# Altium PCB EPS_V2.PcbDoc (part 3 of 4) (continued)
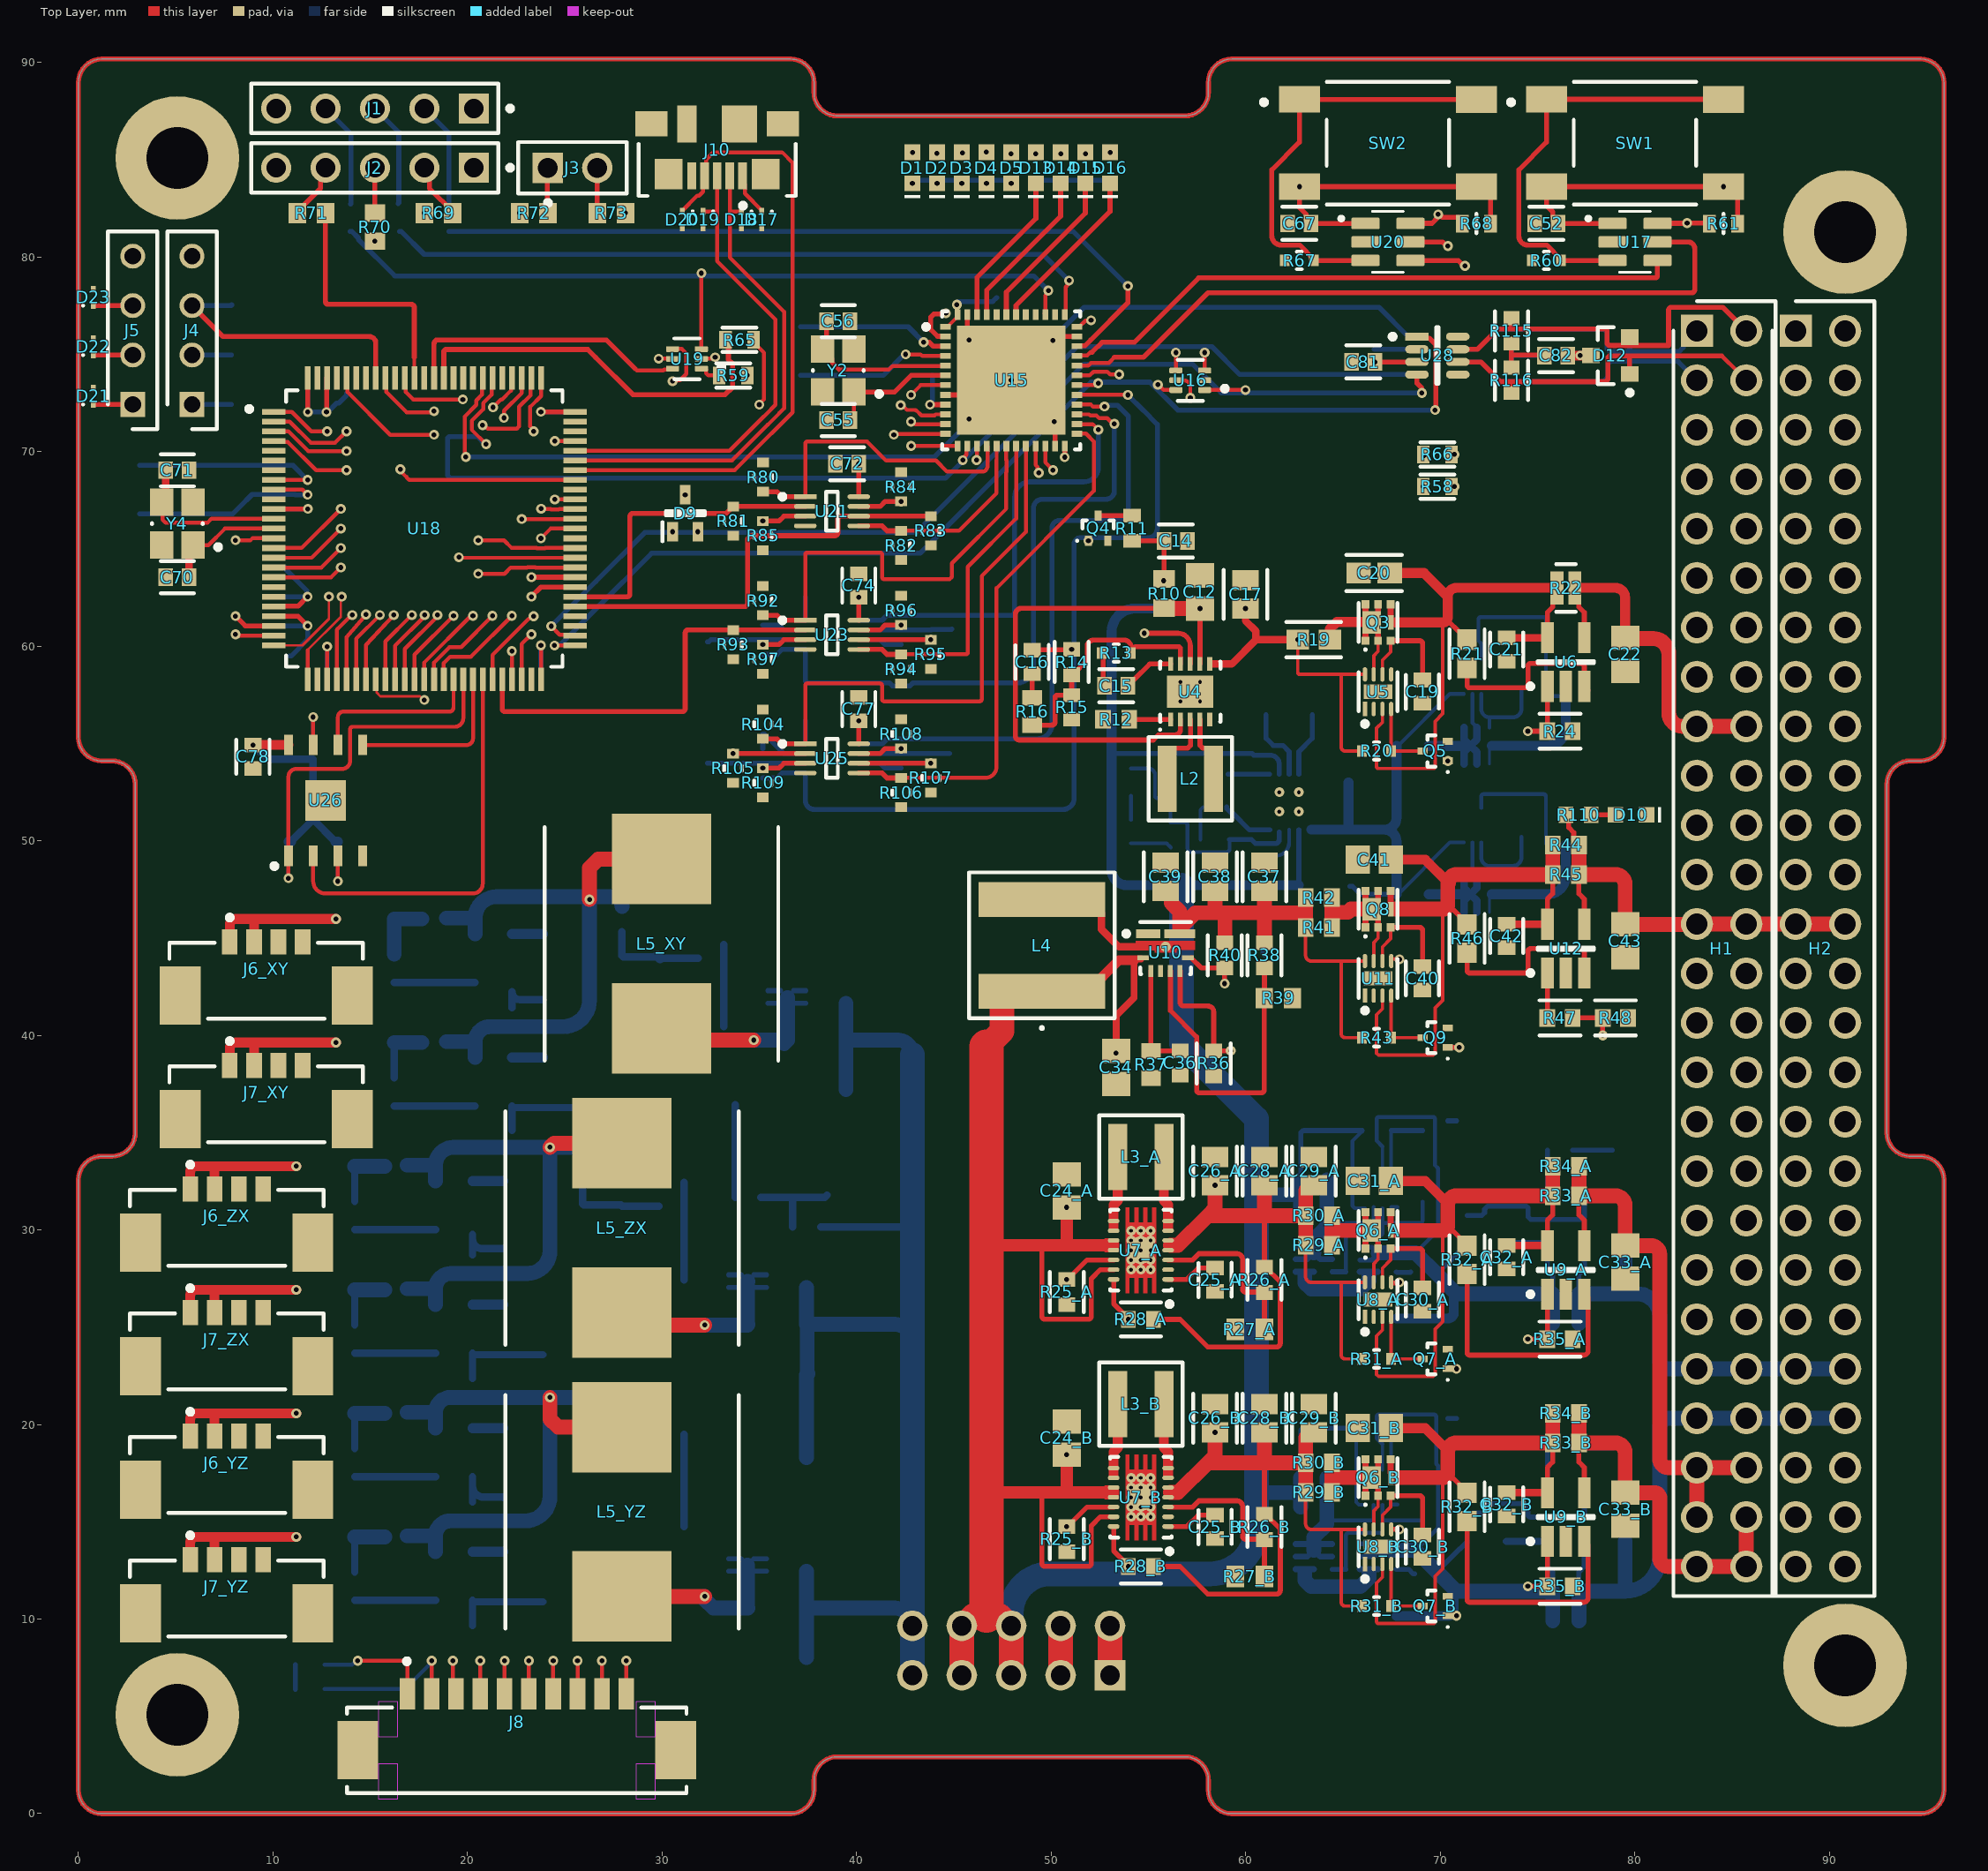
[diagram p0: Top Layer view]
## Nets (pads, with @x,y where several pads share a name; then routed paths per layer and width w, separated by ;. In a path a pad name is that pad's centre, name@x,y a point inside that pad or via, vN(x,y) a via of type N, cw(c..) or ccw(c..) an arc to the next point about the centre after c; other vN are vias at no path point) (continued)
  Bottom Layer w0.254: R1.1@60.887,46.199 60.887,44.206 C3.1@61.001,44.092
NetC4_1: C4.1 U1.10 | length 2.7
  Bottom Layer w0.254: C4.1@59.02,51.729 59.02,51.654 59.268,51.406 59.343,51.406 60.193,50.556 U1.10@61.234,50.556
NetC4_2: C4.2 R3.1 | length 1.7
  Bottom Layer w0.191: R3.1@57.67,50.064 57.67,51.584 57.818,51.732 C4.2@57.82,51.729
NetC5_1: C5.1 C6.1 C7.1 R4.1 R7.1 R8.1 U1.6 U2.8 U3.8 | length 41.2
  GND2 w0.254: v9(56.124,49.657) 56.193,49.657 56.599,50.064 64.96,50.064 67.711,47.313 v9@67.754,47.313
  Bottom Layer w0.191: C5.1@54.102,49.867 55.936,49.867 R4.1@56.154,49.649 ; R7.1@67.826,47.244 70.494,49.912 U2.8@71.207,49.912 ; R8.1@67.826,54.878 70.494,57.546 U3.8@71.207,57.546
  Bottom Layer w0.254: C6.1@65.347,47.663 65.483,47.663 65.902,47.244 R7.1@67.753,47.244
  Bottom Layer w0.508: 63.373,50.566 65.256,50.566 ; C7.1@65.278,52.999 65.278,50.589 65.256,50.566 ; R7.1@67.753,47.244 67.753,49.952 ccw(c67.139,49.952) 67.139,50.566 ; R8.1@67.753,54.864 67.753,51.181 cw(c67.139,51.181) 67.139,50.566 ; 65.256,50.566 67.139,50.566
  other v9: 67.734,47.29
NetC5_2: C5.2 R6.2 | length 1.2
  Bottom Layer w0.191: C5.2@54.102,51.067 R6.2@54.102,52.306
NetC8_1: C8.1 Q1.3 U2.6 | length 4.9
  Bottom Layer w0.191: U2.6@72.107,49.912 72.107,49.133 ccw(c72.532,49.133) 72.532,48.708 Q1.3@72.532,48.181
  Bottom Layer w0.203: 72.532,48.708 73.743,48.708 ccw(c73.743,49.133) 74.168,49.133 C8.1@74.168,50.2
NetC10_1: C10.1 Q2.3 U3.6 | length 4.9
  Bottom Layer w0.191: U3.6@72.107,57.546 72.107,56.767 ccw(c72.532,56.767) 72.532,56.342 Q2.3@72.532,55.816
  Bottom Layer w0.203: 72.532,56.342 73.743,56.342 ccw(c73.743,56.767) 74.168,56.767 C10.1@74.168,57.834
NetC14_1: C14.1 R10.1 R11.2 U4.8 | length 10.4
  Top Layer w0.254: R11.2@54.152,65.407 C14.1@55.807,65.407 R10.1@55.807,63.45 ; v3(54.79,60.663) 56.516,60.663 cw(c56.516,60.028) 57.15,60.028 U4.8@57.15,59.083
  GND1 w0.254: v3(54.79,60.663) 54.79,62.365 v3(55.789,63.363)
NetC15_1: C15.1 U4.10 | length 2.7
  Top Layer w0.254: C15.1@53.94,57.958 53.94,58.033 54.188,58.281 54.263,58.281 55.065,59.083 U4.10@56.15,59.083
NetC15_2: C15.2 R13.1 | length 1.7
  Top Layer w0.254: R13.1@52.59,59.644 52.665,59.569 52.665,58.033 C15.2@52.74,57.958
NetC16_1: C16.1 C17.1 C18.1 R14.1 R19.1 R20.1 U4.6 U5.8 | length 30.7
  Top Layer w0.178: v3(62.673,60.332) 62.673,58.65 ccw(c62.774,58.65) 62.774,58.549 ccw(c62.802,58.675) 62.802,58.546 64.91,58.546 ; R20.1@65.977,54.61 65.105,54.61 cw(c65.105,54.805) 64.91,54.805 64.91,58.546 ; U5.8@66.127,58.546 64.91,58.546
  Top Layer w0.254: C16.1@49.022,59.782 49.047,59.807 51.029,59.807 v3(51.054,59.833)
  Top Layer w0.381: 58.293,59.083 59.279,59.083 60.528,60.332 ; v2(59.988,61.932) 59.988,61.305 60.528,60.764 60.528,60.332 ; v3(62.673,60.332) 60.528,60.332
  GND1 w0.254: v3(51.054,59.833) 62.174,59.833 v3(62.673,60.332)
NetC16_2: C16.2 R16.2 | length 1.2
  Top Layer w0.254: R16.2@49.022,57.342 C16.2@49.022,58.582
NetC19_1: C19.1 Q3.3 U5.6 | length 5.5
  Top Layer w0.178: U5.6@67.027,58.546 67.027,59.273 67.452,59.698 Q3.3@67.452,60.277
  Top Layer w0.254: Q3.3@67.452,60.277 68.939,60.277 cw(c68.939,60.128) 69.088,60.128 C19.1@69.088,58.258
NetC20_1: C20.1 C21.1 Q3.4 Q3.7 R21.1 R22.1 U5.3 U6.5 | length 34.2
  Top Layer w0.178: U5.3@67.027,56.77 67.027,56.09 66.727,55.79 66.727,53.814 ccw(c66.831,53.814) 66.831,53.71 69.631,53.71 ccw(c69.631,53.814) 69.735,53.814 69.735,56.134 70.133,56.531 70.133,61.214
  Top Layer w0.254: 70.38,61.326 70.974,60.732 70.998,60.732 71.374,60.356 R21.1@71.374,60.332 ; U6.5@75.504,60.432 75.504,61.732 75.779,62.007 R22.1@75.779,62.992
  Top Layer w0.305: Q3.7@67.452,61.214 Q3.4@67.452,62.151
  Top Layer w0.381: C21.1@73.406,60.432 U6.5@75.504,60.432
  Top Layer w0.508: C20.1@67.403,63.754 69.175,63.754 70.383,62.546 ; 67.691,61.214 70.133,61.214 ccw(c70.133,61.464) 70.383,61.464 70.383,62.546 ; R22.1@75.991,62.992 70.829,62.992 ccw(c70.829,62.546) 70.383,62.546
NetC25_A_1: C25_A.1 U7_A.1 | length 2.6
  Top Layer w0.254: U7_A.1@56.01,27.456 56.976,27.456 57.552,28.032 C25_A.1@58.42,28.032
NetC25_B_1: C25_B.1 U7_B.1 | length 2.6
  Top Layer w0.254: U7_B.1@56.01,14.756 56.976,14.756 57.552,15.332 C25_B.1@58.42,15.332
NetC26_A_1: C26_A.1 C27_A.1 C28_A.1 C29_A.1 R26_A.2 R28_A.2 R29_A.1 R30_A.1 R31_A.1 U7_A.4 U7_A.5 U8_A.8 | length 38.1
  Top Layer w0.178: R29_A.1@63.079,29.21 63.079,27.588 ccw(c63.363,27.588) 63.363,27.304 64.91,27.304 ; R31_A.1@65.977,23.368 65.105,23.368 cw(c65.105,23.563) 64.91,23.563 64.91,27.304 ; U8_A.8@66.127,27.304 64.91,27.304
  Top Layer w0.254: R28_A.2@55.261,25.4 56.627,25.4 58.053,23.974 61.563,23.974 ccw(c61.563,24.189) 61.778,24.189 61.778,27.317 61.013,28.083 R26_A.2@60.96,28.083 60.96,30.745
  Top Layer w0.762: 56.134,29.206 56.525,29.206 58.053,30.734 ; v2(58.42,32.294) 58.42,31.101 58.053,30.734 ; C28_A.1@60.96,32.294 60.96,30.745 60.949,30.734 ; R29_A.1@63.079,29.21 R30_A.1@63.079,30.734 ; C29_A.1@63.5,32.294 63.349,32.294 63.079,32.024 R30_A.1@63.079,30.734 ; 58.053,30.734 60.949,30.734 ; 60.949,30.734 R30_A.1@63.079,30.734
NetC26_B_1: C26_B.1 C27_B.1 C28_B.1 C29_B.1 R26_B.2 R28_B.2 R29_B.1 R30_B.1 R31_B.1 U7_B.4 U7_B.5 U8_B.8 | length 38.1
  Top Layer w0.178: R29_B.1@63.079,16.51 63.079,14.888 ccw(c63.363,14.888) 63.363,14.604 64.91,14.604 ; R31_B.1@65.977,10.668 65.105,10.668 cw(c65.105,10.863) 64.91,10.863 64.91,14.604 ; U8_B.8@66.127,14.604 64.91,14.604
  Top Layer w0.254: R28_B.2@55.261,12.7 56.627,12.7 58.053,11.274 61.563,11.274 ccw(c61.563,11.489) 61.778,11.489 61.778,14.617 61.013,15.383 R26_B.2@60.96,15.383 60.96,18.045
  Top Layer w0.762: 56.134,16.506 56.525,16.506 58.053,18.034 ; v2(58.42,19.594) 58.42,18.401 58.053,18.034 ; C28_B.1@60.96,19.594 60.96,18.045 60.949,18.034 ; R29_B.1@63.079,16.51 R30_B.1@63.079,18.034 ; C29_B.1@63.5,19.594 63.349,19.594 63.079,19.324 R30_B.1@63.079,18.034 ; 58.053,18.034 60.949,18.034 ; 60.949,18.034 R30_B.1@63.079,18.034
NetC30_A_1: C30_A.1 Q6_A.3 U8_A.6 | length 5.5
  Top Layer w0.178: U8_A.6@67.027,27.304 67.027,28.031 67.452,28.456 Q6_A.3@67.452,29.035
  Top Layer w0.254: Q6_A.3@67.452,29.035 68.939,29.035 cw(c68.939,28.886) 69.088,28.886 C30_A.1@69.088,27.016
NetC30_B_1: C30_B.1 Q6_B.3 U8_B.6 | length 5.5
  Top Layer w0.178: U8_B.6@67.027,14.604 67.027,15.331 67.452,15.756 Q6_B.3@67.452,16.335
  Top Layer w0.254: Q6_B.3@67.452,16.335 68.939,16.335 cw(c68.939,16.186) 69.088,16.186 C30_B.1@69.088,14.316
NetC31_A_2: C31_A.2 C32_A.1 Q6_A.4 Q6_A.7 R32_A.1 R33_A.1 R34_A.1 U8_A.3 U9_A.5 | length 34.9
  Top Layer w0.178: U8_A.3@67.027,25.528 67.027,24.848 66.727,24.548 66.727,22.572 66.831,22.468 69.631,22.468 69.735,22.572 69.735,24.892 70.133,25.289 70.133,29.972
  Top Layer w0.254: 70.616,29.972 R32_A.1@71.374,29.214 ; U9_A.5@75.504,29.19 75.504,30.49 75.779,30.765 R33_A.1@75.779,31.75
  Top Layer w0.305: Q6_A.4@67.452,30.909 67.452,30.211 67.691,29.972
  Top Layer w0.381: C32_A.1@73.406,29.19 U9_A.5@75.504,29.19
  Top Layer w0.508: C31_A.2@67.452,32.512 69.225,32.512 70.433,31.304
  Top Layer w0.762: 67.691,29.972 70.133,29.972 ccw(c70.133,30.222) 70.383,30.222 70.383,31.304 cw(c70.829,31.304) 70.829,31.75 R33_A.1@75.504,31.75 ; R32_A.1@71.374,29.19 R32_A.1@71.374,29.214 ; R33_A.1@75.779,31.75 R34_A.1@75.779,33.274
NetC31_B_2: C31_B.2 C32_B.1 Q6_B.4 Q6_B.7 R32_B.1 R33_B.1 R34_B.1 U8_B.3 U9_B.5 | length 35
  Top Layer w0.178: U8_B.3@67.027,12.828 67.027,12.148 66.727,11.848 66.727,9.872 ccw(c66.831,9.872) 66.831,9.768 69.631,9.768 ccw(c69.631,9.872) 69.735,9.872 69.735,12.192 70.133,12.589 70.133,17.272
  Top Layer w0.254: 70.616,17.272 R32_B.1@71.374,16.514 ; U9_B.5@75.504,16.49 75.504,17.79 75.779,18.065 R33_B.1@75.779,19.05
  Top Layer w0.305: Q6_B.4@67.452,18.209 67.452,17.511 67.691,17.272
  Top Layer w0.381: C32_B.1@73.406,16.49 U9_B.5@75.504,16.49
  Top Layer w0.508: C31_B.2@67.452,19.812 69.225,19.812 70.433,18.604
  Top Layer w0.762: 67.691,17.272 70.133,17.272 ccw(c70.133,17.522) 70.383,17.522 70.383,18.604 cw(c70.829,18.604) 70.829,19.05 R33_B.1@75.504,19.05 ; R32_B.1@71.374,16.49 R32_B.1@71.374,16.514 ; R33_B.1@75.779,19.05 R34_B.1@75.779,20.574
NetC36_2: C36.2 R37.2 U10.4 | length 5.6
  Top Layer w0.254: U10.4@55.13,43.3 R37.2@55.13,39.204 C36.2@56.63,39.204
NetC37_1: C37.1 C38.1 C39.1 R38.1 R40.1 R41.1 R42.1 R43.1 U10.9 U11.8 | length 25.7
  Top Layer w0.178: R41.1@63.079,45.72 63.079,44.098 ccw(c63.363,44.098) 63.363,43.814 64.91,43.814 ; R43.1@65.977,39.878 65.105,39.878 cw(c65.105,40.073) 64.91,40.073 64.91,43.814 ; U11.8@66.127,43.814 64.91,43.814
  Top Layer w0.762: C39.1@55.88,47.419 56.031,47.419 56.177,47.273 56.177,46.792 56.605,46.364 56.605,45.502 57.398,46.295 58.42,46.295 ; C38.1@58.42,47.419 58.42,46.295 ; R40.1@58.928,44.76 58.928,46.295 ; R38.1@60.96,44.76 60.96,46.295 ; C37.1@60.96,47.419 60.96,46.295 ; R41.1@63.079,45.545 63.079,46.295 ; R42.1@63.079,47.077 63.079,46.295 ; 58.42,46.295 58.928,46.295 ; 58.928,46.295 60.96,46.295 ; 60.96,46.295 63.079,46.295
NetC40_1: C40.1 Q8.3 U11.6 | length 5.5
  Top Layer w0.178: U11.6@67.027,43.814 67.027,44.541 67.452,44.966 Q8.3@67.452,45.545
  Top Layer w0.254: Q8.3@67.452,45.545 68.939,45.545 cw(c68.939,45.396) 69.088,45.396 C40.1@69.088,43.526
NetC41_2: C41.2 C42.1 Q8.4 Q8.7 R44.1 R45.1 R46.1 U11.3 U12.5 | length 35.4
  Top Layer w0.178: U11.3@67.027,42.038 67.027,41.358 66.727,41.058 66.727,39.082 66.831,38.978 69.631,38.978 69.735,39.082 69.735,41.402 70.133,41.799 70.133,46.482
  Top Layer w0.254: Q8.7@67.452,46.721 67.691,46.482 ; 70.383,46.732 70.998,46.117 70.998,46.076 R46.1@71.374,45.7 ; U12.5@75.504,45.7 75.504,47 75.779,47.275 R45.1@75.779,48.26
  Top Layer w0.305: Q8.7@67.452,46.721 Q8.4@67.452,47.419
  Top Layer w0.381: C42.1@73.406,45.7 U12.5@75.504,45.7
  Top Layer w0.508: C41.2@67.452,49.022 69.225,49.022 70.433,47.814
  Top Layer w0.762: C41.2@67.452,48.922 C41.2@67.452,49.022 ; 67.691,46.482 70.133,46.482 ccw(c70.133,46.732) 70.383,46.732 70.383,47.814 ; 70.433,47.814 70.433,47.864 cw(c70.829,47.864) 70.829,48.26 R45.1@75.504,48.26 ; R45.1@75.779,48.26 R44.1@75.779,49.784
NetC44_M_1: C44_M.1 Q10_M.3 Q11_M.3 U13_M.6 | length 12.9
  GND2 w0.254: v9(65.147,27.848) 65.153,27.842 68.469,27.842 v9(68.475,27.835)
  Bottom Layer w0.191: 67.027,30.322 U13_M.6@67.027,31.116 ; 67.027,30.354 68.976,30.354 ccw(c68.976,30.466) 69.088,30.466 C44_M.1@69.088,31.454
  Bottom Layer w0.203: v9(65.147,27.848) 65.147,29.568 cw(c65.295,29.568) 65.295,29.716 66.908,29.716 ccw(c66.908,29.835) 67.027,29.835 67.027,30.322 ; 67.027,30.354 67.027,30.362
  Bottom Layer w0.254: Q10_M.3@64.437,27.848 v9(65.147,27.848) ; Q11_M.3@67.743,27.844 67.771,27.817 68.457,27.817 v9(68.475,27.835)
NetC44_N_1: C44_N.1 Q10_N.3 Q11_N.3 U13_N.6 | length 13.6
  GND2 w0.254: v9(65.147,12.558) 65.183,12.558 65.422,12.319 v9(68.678,12.319)
  Bottom Layer w0.127: Q11_N.3@67.739,12.558 Q11_N.3@67.743,12.554
  Bottom Layer w0.191: 67.027,14.545 67.027,15.064 ; U13_N.6@67.027,15.876 67.027,15.072 67.027,15.064 ; C44_N.1@69.088,16.164 69.088,15.176 cw(c68.976,15.176) 68.976,15.064 67.027,15.064
  Bottom Layer w0.203: v9(65.147,12.558) 65.147,14.278 cw(c65.295,14.278) 65.295,14.426 66.908,14.426 ccw(c66.908,14.545) 67.027,14.545
  Bottom Layer w0.254: Q10_N.3@64.437,12.558 v9(65.147,12.558) ; Q11_N.3@67.743,12.554 68.375,12.554 68.61,12.319 v9(68.678,12.319)
NetC45_M_2: C45_M.2 C46_M.1 Q11_M.1 Q11_M.2 Q11_M.5 Q11_M.6 Q11_M.8 R53_M.1 R54_M.1 R55_M.1 U13_M.3 U14_M.5 | length 37.9
  Bottom Layer w0.178: U13_M.3@67.027,32.942 67.027,34.283
  Bottom Layer w0.203: 67.027,34.283 66.727,34.583 66.727,35.683 cw(c66.846,35.683) 66.846,35.802 69.616,35.802 cw(c69.616,35.683) 69.735,35.683 69.735,33.316 69.881,33.171 69.881,29.978 68.726,28.823
  Bottom Layer w0.254: Q11_M.5@65.865,28.448 66.477,28.448 Q11_M.8@66.802,28.773 66.477,29.098 Q11_M.6@65.865,29.098 ; 69.822,27.728 70.974,28.88 70.998,28.88 71.374,29.256 R53_M.1@71.374,29.28 ; U14_M.5@75.504,29.28 75.504,27.98 75.779,27.705 R55_M.1@75.779,26.72
  Bottom Layer w0.381: C46_M.1@73.406,29.28 U14_M.5@75.504,29.28
  Bottom Layer w0.508: C45_M.2@67.739,25.45 70.394,25.45 ccw(c70.394,25.748) 70.691,25.748 70.691,26.858
  Bottom Layer w0.762: Q11_M.8@66.802,28.823 68.726,28.823 69.822,27.728 70.829,26.72 R55_M.1@75.504,26.72 ; R54_M.1@75.779,25.196 R55_M.1@75.779,26.72
NetC45_N_2: C45_N.2 C46_N.1 Q11_N.1 Q11_N.2 Q11_N.5 Q11_N.6 Q11_N.8 R53_N.1 R54_N.1 R55_N.1 U13_N.3 U14_N.5 | length 37.9
  Bottom Layer w0.178: U13_N.3@67.027,17.652 67.027,18.993
  Bottom Layer w0.203: 67.027,18.993 66.727,19.293 66.727,20.393 cw(c66.846,20.393) 66.846,20.512 69.667,20.512 cw(c69.667,20.393) 69.786,20.393 69.786,17.976 69.881,17.881 69.881,14.688 68.726,13.533
  Bottom Layer w0.254: Q11_N.5@65.865,13.208 66.477,13.208 Q11_N.8@66.802,13.533 66.477,13.858 Q11_N.6@65.865,13.858 ; 69.822,12.438 70.974,13.59 70.998,13.59 71.374,13.966 R53_N.1@71.374,13.99 ; U14_N.5@75.504,13.99 75.504,12.69 75.779,12.415 R55_N.1@75.779,11.43
  Bottom Layer w0.381: C46_N.1@73.406,13.99 U14_N.5@75.504,13.99
  Bottom Layer w0.508: C45_N.2@67.739,10.16 70.394,10.16 ccw(c70.394,10.458) 70.691,10.458 70.691,11.568
  Bottom Layer w0.762: Q11_N.8@66.802,13.533 68.726,13.533 69.822,12.438 70.829,11.43 R55_N.1@75.504,11.43 ; R54_N.1@75.779,9.906 R55_N.1@75.779,11.43
NetC80_1: C80.1 R113.2 R114.1 | length 2.9
  Bottom Layer w0.254: R113.2@73.66,74.311 R114.1@73.66,75.549 ; 73.675,74.93 C80.1@75.346,74.93
NetC82_1: C82.1 R115.2 R116.1 | length 2.9
  Top Layer w0.254: R116.1@73.647,74.349 R115.2@73.647,75.587 ; 73.663,74.968 C82.1@75.333,74.968
NetC96_1: C96.1 R125.2 R126.1 U33.1 | length 5
  Bottom Layer w0.381: U33.1@35.067,31.666 R126.1@36.703,31.666 ; R125.2@36.703,30.157 R126.1@36.703,31.666 ; C96.1@38.481,31.791 38.356,31.666 R126.1@36.703,31.666
NetC104_XY_1: C104_XY.1 R123_XY.2 R124_XY.1 U31_XY.1 | length 5.4
  Bottom Layer w0.381: R123_XY.2@27.94,45.323 R124_XY.1@27.94,44.084 28.002,44.021 29.91,44.021 C104_XY.1@29.972,43.959 U31_XY.1@31.857,43.959
  Bottom Layer w0.508: C104_XY.1@29.772,44.084 C104_XY.1@29.897,43.959
NetC104_YZ_1: C104_YZ.1 R123_YZ.2 R124_YZ.1 U31_YZ.1 | length 4.9
  Bottom Layer w0.381: R123_YZ.2@25.908,19.498 R124_YZ.1@25.908,18.609 25.97,18.547 27.877,18.547 C104_YZ.1@27.94,18.484 U31_YZ.1@29.83,18.484
NetC104_ZX_1: C104_ZX.1 R123_ZX.2 R124_ZX.1 U31_ZX.1 | length 5.1
  Bottom Layer w0.381: R123_ZX.2@25.908,32.446 R124_ZX.1@25.908,31.339 25.97,31.277 27.877,31.277 27.943,31.211 29.827,31.211 U31_ZX.1@29.83,31.208
NetD1_2: D1.2 R74.2
  other v2: 42.87,85.364
NetD2_2: D2.2 R75.2
  other v2: 44.13,85.321
NetD3_2: D3.2 R76.2
  other v2: 45.436,85.349
NetD4_2: D4.2 R77.2
  other v2: 46.662,85.397
NetD5_2: D5.2 R78.2
  other v2: 47.937,85.306
NetD6_1: D6.1 J4.1 | length 2.1
  Bottom Layer w0.254: J4.1@5.832,72.301 5.951,72.42 D6.1@7.87,72.42
NetD10_2: D10.2 R110.2 | length 1.2
  Top Layer w0.254: R110.2@77.754,51.334 D10.2@79.002,51.334
NetD13_2: D13.2 R117.2
  other v2: 49.197,85.301
NetD13_XY_1: D13_XY.1 R117_XY.1 R118_XY.1 | length 3.2
  Bottom Layer w0.762: R117_XY.1@16.232,44.16 D13_XY.1@16.232,45.974 R118_XY.1@17.653,45.974
NetD13_XY_2: D13_XY.2 J6_XY.1 J6_XY.2 | length 7.7
  Top Layer w0.508: J6_XY.1@7.777,44.799 7.777,45.676 cw(c8.075,45.676) 8.075,45.974 9.027,45.974 ; J6_XY.2@9.027,44.799 9.027,45.974 ; v2(13.232,45.974) 9.027,45.974
NetD13_YZ_1: D13_YZ.1 R117_YZ.1 R118_YZ.1 | length 3.4
  Bottom Layer w0.381: R117_YZ.1@14.2,18.76 D13_YZ.1@14.2,20.574
  Bottom Layer w0.762: D13_YZ.1@14.2,20.574 R118_YZ.1@15.745,20.574
NetD13_YZ_2: D13_YZ.2 J6_YZ.1 J6_YZ.2 | length 7.7
  Top Layer w0.508: J6_YZ.1@5.745,19.399 5.745,20.276 cw(c6.043,20.276) 6.043,20.574 6.995,20.574 ; J6_YZ.2@6.995,19.399 6.995,20.574 ; v2(11.2,20.574) 6.995,20.574
NetD13_ZX_1: D13_ZX.1 R117_ZX.1 R118_ZX.1 | length 3.4
  Bottom Layer w0.381: R117_ZX.1@14.2,31.46 D13_ZX.1@14.2,33.274
  Bottom Layer w0.762: D13_ZX.1@14.2,33.274 R118_ZX.1@15.745,33.274
NetD13_ZX_2: D13_ZX.2 J6_ZX.1 J6_ZX.2 | length 7.7
  Top Layer w0.508: J6_ZX.1@5.745,32.099 5.745,32.976 cw(c6.043,32.976) 6.043,33.274 6.995,33.274 ; J6_ZX.2@6.995,32.099 6.995,33.274 ; v2(11.2,33.274) 6.995,33.274
NetD14_2: D14.2 R118.2
  other v2: 50.488,85.296
NetD14_XY_1: D14_XY.1 R120_XY.1 R121_XY.1 | length 3.2
  Bottom Layer w0.381: R120_XY.1@16.232,37.81 D14_XY.1@16.232,39.624
  Bottom Layer w0.762: D14_XY.1@16.232,39.624 R121_XY.1@17.653,39.624
NetD14_XY_2: D14_XY.2 J7_XY.1 J7_XY.2 | length 7.7
  Top Layer w0.508: J7_XY.1@7.777,38.449 7.777,39.326 cw(c8.075,39.326) 8.075,39.624 9.027,39.624 ; J7_XY.2@9.027,38.449 9.027,39.624 ; v2(13.232,39.624) 9.027,39.624
NetD14_YZ_1: D14_YZ.1 R120_YZ.1 R121_YZ.1 | length 3.4
  Bottom Layer w0.381: R120_YZ.1@14.2,12.41 D14_YZ.1@14.2,14.224
  Bottom Layer w0.762: D14_YZ.1@14.2,14.224 R121_YZ.1@15.745,14.224
NetD14_YZ_2: D14_YZ.2 J7_YZ.1 J7_YZ.2 | length 7.7
  Top Layer w0.508: J7_YZ.1@5.745,13.049 5.745,13.926 cw(c6.043,13.926) 6.043,14.224 6.995,14.224 ; J7_YZ.2@6.995,13.049 6.995,14.224 ; v2(11.2,14.224) 6.995,14.224
NetD14_ZX_1: D14_ZX.1 R120_ZX.1 R121_ZX.1 | length 3.4
  Bottom Layer w0.381: R120_ZX.1@14.2,25.11 D14_ZX.1@14.2,26.924
  Bottom Layer w0.762: D14_ZX.1@14.2,26.924 R121_ZX.1@15.745,26.924
NetD14_ZX_2: D14_ZX.2 J7_ZX.1 J7_ZX.2 | length 7.7
  Top Layer w0.508: J7_ZX.1@5.745,25.749 5.745,26.626 cw(c6.043,26.626) 6.043,26.924 6.995,26.924 ; J7_ZX.2@6.995,25.749 6.995,26.924 ; v2(11.2,26.924) 6.995,26.924
NetD15_2: D15.2 R119.2
  other v2: 51.763,85.306
NetD15_XY_2: D15_XY.2 L5_XY.2 U32_XY.1 U32_XY.2 U32_XY.5 U32_XY.6 U32_XY.8 | length 11.8
  Top Layer w0.762: L5_XY.2@29.972,40.354 30.572,39.754 v2(34.715,39.754)
  Bottom Layer w0.254: U32_XY.1@35.447,41.644 U32_XY.8@36.097,41.644 ; U32_XY.2@35.447,42.294 U32_XY.8@36.097,42.294 ; U32_XY.8@36.747,41.644 U32_XY.6@37.397,41.644 ; U32_XY.8@36.747,42.294 U32_XY.5@37.397,42.294
  Bottom Layer w0.762: v2(34.715,39.754) D15_XY.2@36.454,39.754 ; D15_XY.2@36.273,39.575 D15_XY.2@36.453,39.755 ; D15_XY.2@36.454,39.771 36.454,41.644 U32_XY.8@36.454,41.937
NetD15_YZ_2: D15_YZ.2 L5_YZ.2 U32_YZ.1 U32_YZ.2 U32_YZ.5 U32_YZ.6 U32_YZ.8 | length 10.6
  Top Layer w0.762: L5_YZ.2@29.183,10.496 29.849,11.163 v2(32.19,11.163)
  Bottom Layer w0.254: U32_YZ.1@33.415,12.453 U32_YZ.8@34.065,12.453 ; U32_YZ.2@33.415,13.103 U32_YZ.8@34.065,13.103 ; U32_YZ.8@34.715,12.453 U32_YZ.6@35.365,12.453 ; U32_YZ.8@34.715,13.103 U32_YZ.5@35.365,13.103
  Bottom Layer w0.762: v2(32.19,11.163) 32.19,11.009 32.636,10.563 D15_YZ.2@34.422,10.563 ; D15_YZ.2@34.39,10.612 34.39,12.453 U32_YZ.8@34.39,12.778
NetD15_ZX_2: D15_ZX.2 L5_ZX.2 U32_ZX.1 U32_ZX.2 U32_ZX.5 U32_ZX.6 U32_ZX.8 | length 10.3
  Top Layer w0.762: L5_ZX.2@29.183,24.506 29.787,25.11 v2(32.19,25.11)
  Bottom Layer w0.254: U32_ZX.1@33.415,27.039 U32_ZX.8@34.065,27.039 ; U32_ZX.2@33.415,27.689 U32_ZX.8@34.065,27.689 ; U32_ZX.8@34.715,27.039 U32_ZX.6@35.365,27.039 ; U32_ZX.8@34.715,27.689 U32_ZX.5@35.365,27.689
  Bottom Layer w0.762: v2(32.19,25.11) 34.383,25.11 D15_ZX.2@34.422,25.149 ; D15_ZX.2@34.39,25.198 34.39,27.039 U32_ZX.8@34.39,27.364 U32_ZX.8@34.406,27.348
NetD16_2: D16.2 R120.2
  other v2: 53.03,85.369
NetD17_1: D17.1 J10.1 | length 2
  Top Layer w0.203: J10.1@34.074,83.906 34.253,83.728 34.253,83.254 35.117,82.39 D17.1@35.117,82.335
NetD21_1: D21.1 J5.1 | length 2
  Top Layer w0.254: D21.1@0.758,72.42 2.629,72.42 J5.1@2.695,72.487
NetJ1_2: J1.2 R62.2 | length 5.4
  Bottom Layer w0.254: J1.2@17.78,87.63 19.05,86.36 R62.2@19.05,82.786
NetJ1_3: J1.3 R63.2 | length 5.4
  Bottom Layer w0.254: J1.3@15.24,87.63 16.467,86.403 16.467,82.776 R63.2@16.436,82.746
NetJ1_4: J1.4 R64.2 | length 5.5
  Bottom Layer w0.254: J1.4@12.7,87.63 14.003,86.327 14.003,82.738 R64.2@13.983,82.718
NetJ2_2: J2.2 R69.2 | length 2.9
  Top Layer w0.254: J2.2@17.78,84.582 18.038,84.324 18.038,83.526 19.296,82.268 R69.2@19.296,82.26
NetJ2_3: J2.3 R70.2 | length 2.5
  Top Layer w0.254: R70.2@15.161,82.326 15.24,82.405 15.24,84.376 15.077,84.539 15.121,84.582 J2.3@15.24,84.582
NetJ2_4: J2.4 R71.2 | length 3
  Top Layer w0.203: R71.2@11.29,82.156 R71.2@11.29,82.374
  Top Layer w0.254: R71.2@11.29,82.374 12.442,83.526 12.442,84.324 J2.4@12.7,84.582
NetJ3_1: J3.1 R72.2 | length 2.4
  Top Layer w0.254: R72.2@24.102,82.233 24.102,84.503 24.13,84.531 J3.1@24.13,84.582
NetJ3_2: J3.2 R73.2 | length 2.3
  Top Layer w0.254: J3.2@26.67,84.582 26.695,84.582 26.711,84.567 26.67,84.526 26.67,82.461 R73.2@26.759,82.372
NetL1_1: L1.1 U1.4 | length 3.3
  Bottom Layer w0.254: U1.4@62.73,53.416 62.73,54.573 63.415,55.258 L1.1@63.415,56.468
NetL1_2: L1.2 U1.3 | length 3.8
  Bottom Layer w0.254: L1.2@61.045,56.468 61.045,55.258 61.408,54.895 61.908,54.895 62.23,54.573 U1.3@62.23,53.416
NetL2_1: L2.1 U4.4 | length 3.4
  Top Layer w0.254: U4.4@57.65,56.233 57.65,54.903 57.799,54.754 57.972,54.754 58.335,54.391 L2.1@58.335,53.817
  Top Layer w0.508: L2.1@58.335,53.181 L2.1@58.335,53.817
NetL2_2: L2.2 U4.3 | length 2.7
  Top Layer w0.254: L2.2@55.965,54.391 56.324,54.75 57.006,54.75 57.155,54.898 57.155,55.93 57.152,55.933 57.152,56.231 U4.3@57.15,56.233
NetL3_A_1: L3_A.1 U7_A.8 U7_A.9 | length 3.7
  Top Layer w0.508: 53.21,30.099 53.21,31.281 53.425,31.496 L3_A.1@53.425,33.746
NetL3_A_2: L3_A.2 U7_A.6 U7_A.7 | length 3.7
  Top Layer w0.508: L3_A.2@55.795,33.746 55.795,31.496 56.01,31.281 56.01,30.099
NetL3_B_1: L3_B.1 U7_B.8 U7_B.9 | length 3.7
  Top Layer w0.508: 53.21,17.399 53.21,18.581 53.425,18.796 L3_B.1@53.425,21.046
NetL3_B_2: L3_B.2 U7_B.6 U7_B.7 | length 3.7
  Top Layer w0.508: L3_B.2@55.795,21.046 55.795,18.796 56.01,18.581 56.01,17.399
NetL4_2: L4.2 U10.2 | length 7.9
  Top Layer w0.381: L4.2@49.522,46.98 51.882,46.98 52.581,46.28 52.581,45.445 53.481,44.545 U10.2@55.88,44.545
NetL5_XY_1: L5_XY.1 R118_XY.2 R121_XY.2 R123_XY.1 U29_XY.4 U30_XY.4 | length 30.9
  Top Layer w0.762: v2(26.268,46.974) 26.268,48.608 26.714,49.054 L5_XY.1@29.972,49.054
  Bottom Layer w0.762: R121_XY.2@18.923,39.677 20.397,39.677 ; R118_XY.2@18.923,46.027 20.397,46.027 ; U30_XY.4@20.386,38.858 20.386,39.667 cw(c21.168,39.667) 21.168,40.449 ; U29_XY.4@20.386,45.208 20.386,46.017 cw(c21.492,46.017) 21.492,47.123 26.119,47.123 v2(26.268,46.974) ; 21.072,40.449 21.168,40.449 ; v2@26.268,46.885 26.268,41.803 cw(c24.914,41.803) 24.914,40.449 21.168,40.449 ; v2@26.268,47.123 27.442,47.123 cw(c27.442,46.625) R123_XY.1@27.94,46.625
NetL5_YZ_1: L5_YZ.1 R118_YZ.2 R121_YZ.2 R123_YZ.1 U29_YZ.4 U30_YZ.4 | length 30.1
  Top Layer w0.762: v2(24.236,21.389) 24.236,20.276 24.65,19.863 L5_YZ.1@27.94,19.863
  Bottom Layer w0.762: R121_YZ.2@16.891,14.277 18.365,14.277 ; R118_YZ.2@16.891,20.627 18.365,20.627 ; U30_YZ.4@18.354,13.458 18.354,14.267 cw(c19.136,14.267) 19.136,15.049 22.978,15.049 ccw(c22.978,16.307) 24.236,16.307 v2(24.236,21.389) ; U29_YZ.4@18.354,19.808 18.354,20.617 cw(c19.127,20.617) 19.127,21.389 v2(24.236,21.389) ; R123_YZ.1@25.908,20.8 25.908,20.89 ccw(c25.409,20.89) 25.409,21.389 v2(24.236,21.389)
NetL5_ZX_1: L5_ZX.1 R118_ZX.2 R121_ZX.2 R123_ZX.1 U29_ZX.4 U30_ZX.4 | length 28.8
  Top Layer w0.762: v2(24.236,34.246) 24.439,34.449 L5_ZX.1@27.94,34.449
  Bottom Layer w0.762: R121_ZX.2@16.891,26.977 18.365,26.977 ; R118_ZX.2@16.891,33.327 18.365,33.327 ; U30_ZX.4@18.354,26.158 18.354,26.967 cw(c19.146,26.967) 19.146,27.758 23.068,27.758 ccw(c23.068,28.926) 24.236,28.926 v2@24.236,34.008 ; U29_ZX.4@18.354,32.508 18.354,33.317 cw(c19.283,33.317) 19.283,34.246 25.41,34.246 cw(c25.41,33.748) R123_ZX.1@25.908,33.748
NetQ1_1: Q1.1 Q1.2 Q1.5 Q1.6 Q1.8 R7.2 U2.7 | length 8.2
  Bottom Layer w0.191: U2.7@71.657,49.912 71.657,48.419 Q1.2@71.882,48.194
  Bottom Layer w0.381: Q1.6@71.232,46.307 71.232,46.919 Q1.8@71.557,47.244 ; Q1.1@71.232,48.181 71.232,47.569 Q1.8@71.557,47.244 ; Q1.5@71.882,46.307 71.882,46.919 Q1.8@71.557,47.244 ; Q1.2@71.882,48.181 71.882,47.569 Q1.8@71.557,47.244
  Bottom Layer w0.508: R7.2@69.407,47.244 Q1.8@71.557,47.244
NetQ2_1: Q2.1 Q2.2 Q2.5 Q2.6 Q2.8 R8.2 U3.7 | length 10.4
  Bottom Layer w0.191: U3.7@71.657,57.546 71.657,56.053 Q2.2@71.882,55.828
  Bottom Layer w0.381: Q2.6@71.232,53.941 71.232,54.553 Q2.8@71.557,54.878 ; Q2.1@71.232,55.816 71.232,55.203 Q2.8@71.557,54.878 ; Q2.5@71.882,53.941 71.882,54.553 Q2.8@71.557,54.878 ; Q2.2@71.882,55.816 71.882,55.203 Q2.8@71.557,54.878
  Bottom Layer w0.508: R8.2@69.407,54.864 Q2.8@71.557,54.864 ; R8.2@69.407,54.878 Q2.8@71.557,54.878
NetQ3_1: Q3.1 Q3.2 Q3.5 Q3.6 Q3.8 R19.2 U5.7 | length 6.9
  Top Layer w0.178: U5.7@66.577,58.546 66.577,59.5 66.802,59.725 Q3.2@66.802,60.277
  Top Layer w0.305: Q3.1@66.152,60.277 Q3.8@66.152,60.889 ; Q3.8@66.152,61.539 Q3.6@66.152,62.151 ; Q3.2@66.802,60.277 Q3.8@66.802,60.766 ; Q3.8@66.802,61.662 Q3.5@66.802,62.151
  Top Layer w0.508: R19.2@64.327,60.332 64.327,60.889 64.676,61.238 Q3.8@66.453,61.238
NetQ4_3: Q4.3 R11.1 | length 1.7
  Top Layer w0.254: Q4.3@52.416,66.707 R11.1@54.152,66.707
NetQ5_3: Q5.3 R20.2 U5.4 | length 3.8
  Top Layer w0.178: U5.4@67.477,56.77 R20.2@67.477,54.61 Q5.3@69.088,54.61
NetQ6_A_1: Q6_A.1 Q6_A.2 Q6_A.5 Q6_A.6 Q6_A.8 R29_A.2 R30_A.2 U8_A.7 | length 9.6
  Top Layer w0.178: U8_A.7@66.577,27.304 66.577,28.258 66.802,28.483 Q6_A.2@66.802,29.035
  Top Layer w0.254: Q6_A.8@66.152,29.647 Q6_A.8@66.477,29.972 ; Q6_A.8@66.152,30.297 66.315,30.134 Q6_A.8@66.477,29.972 ; Q6_A.8@66.477,29.849 Q6_A.8@66.802,29.524 ; Q6_A.8@66.802,30.42 66.477,30.095 Q6_A.8@66.477,29.972
  Top Layer w0.305: Q6_A.1@66.152,29.035 Q6_A.8@66.152,29.647 ; Q6_A.8@66.152,30.297 Q6_A.6@66.152,30.909 ; Q6_A.2@66.802,29.035 Q6_A.8@66.802,29.524 ; Q6_A.8@66.802,30.42 Q6_A.5@66.802,30.909
  Top Layer w0.762: R29_A.2@64.429,29.21 64.429,29.972 ; R30_A.2@64.429,30.734 64.429,30.659 64.429,29.972 ; Q6_A.8@66.477,29.972 64.429,29.972
NetQ6_B_1: Q6_B.1 Q6_B.2 Q6_B.5 Q6_B.6 Q6_B.8 R29_B.2 R30_B.2 U8_B.7 | length 9.4
  Top Layer w0.178: U8_B.7@66.577,14.604 66.577,15.558 66.802,15.783 Q6_B.2@66.802,16.335
  Top Layer w0.254: Q6_B.8@66.152,16.947 Q6_B.8@66.477,17.272 ; Q6_B.8@66.152,17.597 66.315,17.434 Q6_B.8@66.477,17.272 ; Q6_B.8@66.802,16.824 66.477,17.149 Q6_B.8@66.477,17.272 ; Q6_B.8@66.802,17.72 66.477,17.395 Q6_B.8@66.477,17.272
  Top Layer w0.305: Q6_B.1@66.152,16.335 Q6_B.8@66.152,16.947 ; Q6_B.8@66.152,17.597 Q6_B.6@66.152,18.209 ; Q6_B.2@66.802,16.335 Q6_B.8@66.802,16.824 ; Q6_B.8@66.802,17.72 Q6_B.5@66.802,18.209
  Top Layer w0.762: R29_B.2@64.429,16.51 64.429,17.272 ; R30_B.2@64.429,17.959 R30_B.2@64.429,18.034 64.429,17.272 ; Q6_B.8@66.152,17.272 64.429,17.272
NetQ7_A_3: Q7_A.3 R31_A.2 U8_A.4 | length 3.8
  Top Layer w0.178: U8_A.4@67.477,25.528 R31_A.2@67.477,23.368 Q7_A.3@69.088,23.368
NetQ7_B_3: Q7_B.3 R31_B.2 U8_B.4 | length 3.8
  Top Layer w0.178: U8_B.4@67.477,12.828 R31_B.2@67.477,10.668 Q7_B.3@69.088,10.668